# EAGLE board Mk4 Final Panel (EAGLE 9.0.1), part 12 of 18 (continued)
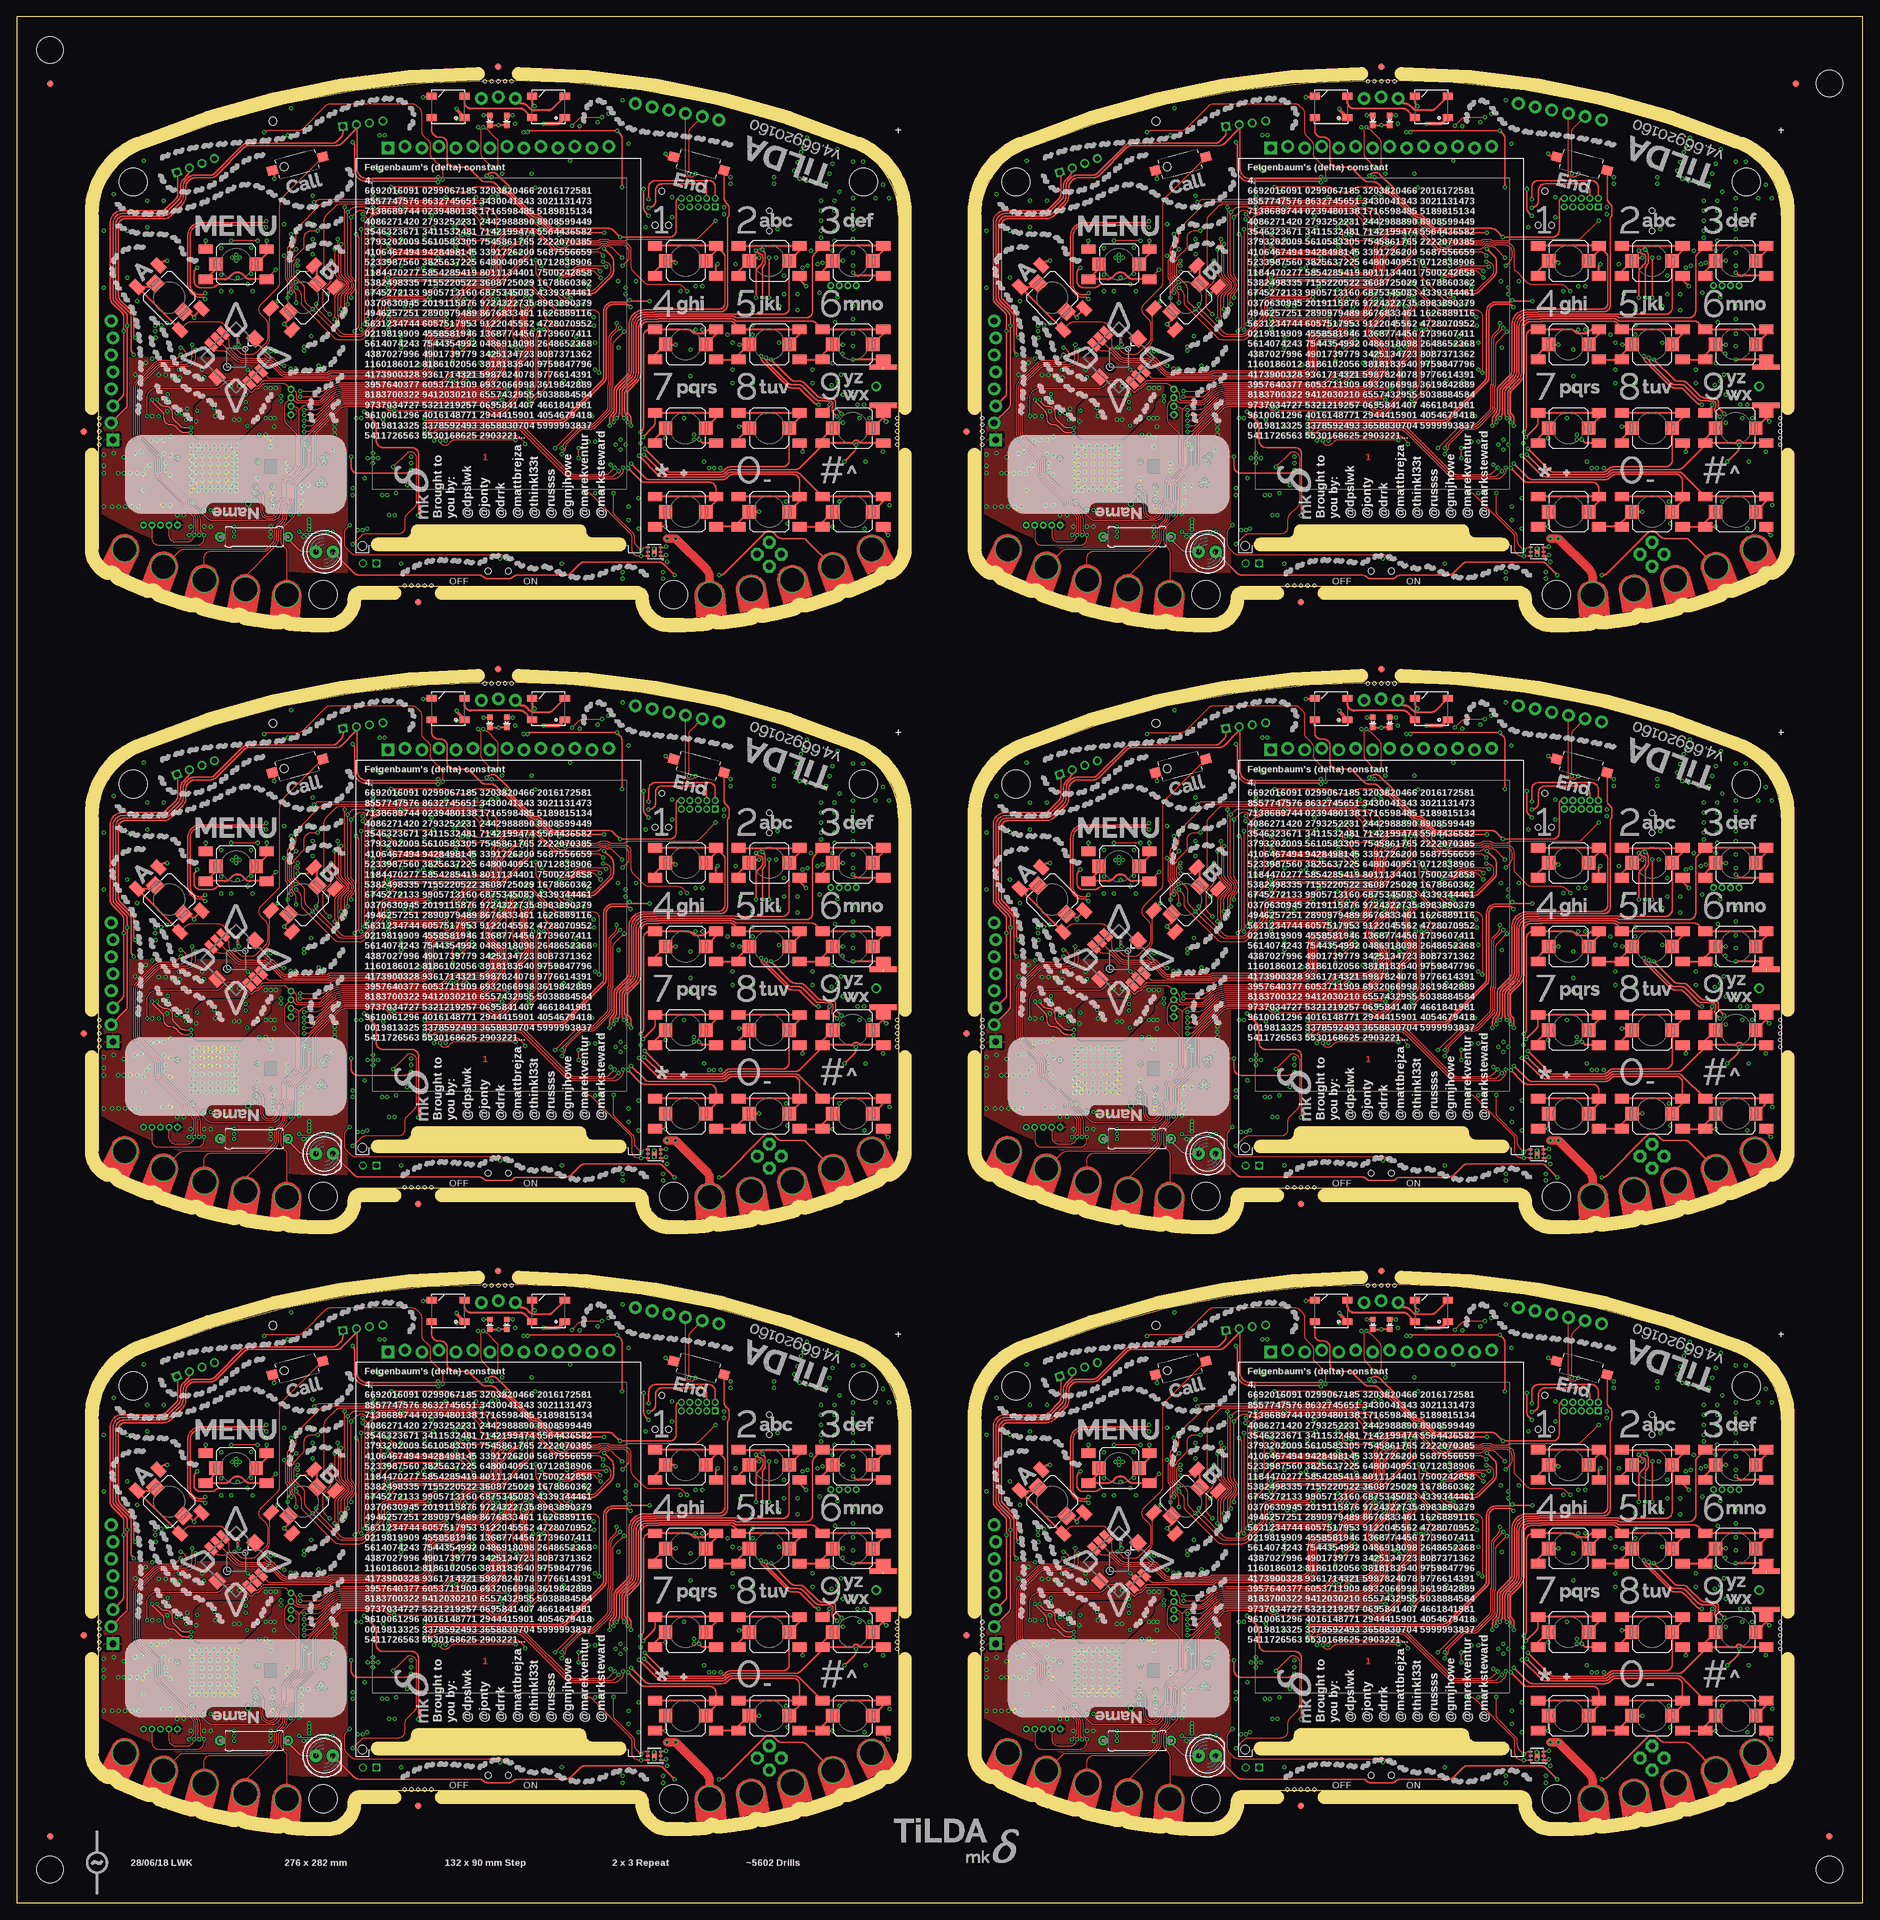
[diagram p0: board, top side]
## Tracks (layer width: path | path; a pad name or v marks a point on that pad's centre or on a via) (continued)
SDRAM_!WE2  (via drill 0.3)
  Top 0.15: v75.5,159.5 73.54,159.5 arc45 72.83,159.21 71.59,157.97 arc45 71.3,157.26 71.3,154.62 arc-90 70.05,153.38 56.29,153.38 arc45 55.58,153.08 v55.5,153
  Bottom 0.15: IC37.16 54.9,153.1 55,153 v55.5,153 | IC38.92 76.6,161.01 arc-45 76.31,160.31 v75.5,159.5
SDRAM_!WE3  (via drill 0.3)
  Top 0.15: v207.5,159.5 205.54,159.5 arc45 204.83,159.21 203.59,157.97 arc45 203.3,157.26 203.3,154.62 arc-90 202.05,153.38 188.29,153.38 arc45 187.58,153.08 v187.5,153
  Bottom 0.15: IC55.16 186.9,153.1 187,153 v187.5,153 | IC56.92 208.6,161.01 arc-45 208.31,160.31 v207.5,159.5
SDRAM_!WE4  (via drill 0.3)
  Top 0.15: v75.5,249.5 73.54,249.5 arc45 72.83,249.21 71.59,247.97 arc45 71.3,247.26 71.3,244.62 arc-90 70.05,243.38 56.29,243.38 arc45 55.58,243.08 v55.5,243
  Bottom 0.15: IC73.16 54.9,243.1 55,243 v55.5,243 | IC74.92 76.6,251.01 arc-45 76.31,250.31 v75.5,249.5
SDRAM_!WE5  (via drill 0.3)
  Top 0.15: v207.5,249.5 205.54,249.5 arc45 204.83,249.21 203.59,247.97 arc45 203.3,247.26 203.3,244.62 arc-90 202.05,243.38 188.29,243.38 arc45 187.58,243.08 v187.5,243
  Bottom 0.15: IC91.16 186.9,243.1 187,243 v187.5,243 | IC92.92 208.6,251.01 arc-45 208.31,250.31 v207.5,249.5
SDRAM_A0  (via drill 0.3)
  Top 0.15: v49,73.5 v49,73.49 48.98,73.47 48.98,68.27 49.02,68.22 49.02,63.7 arc45 49.32,62.99 49.73,62.58 arc-90 49.73,61.17 49.27,60.7 arc45 48.98,60 48.98,58.52 49.02,58.47 49.02,58.03 49,58.01 v49,57.5 | v64.3,57.5 63.99,57.19 arc-45 63.29,56.9 56.51,56.9 arc-45 55.81,57.19 v55.5,57.5
  Bottom 0.15: IC2.2 50.21,74.3 arc45 49.51,74.01 v49,73.5 | IC1.29 67,58.02 arc90 66.5,58.52 66.12,58.52 | v55.5,57.5 IC2.23 v49,57.5 | 66.12,58.52 | 66.12,58.52 65.68,58.52 arc45 65.08,58.28 v64.3,57.5
SDRAM_A1  (via drill 0.3)
  Top 0.15: v64.3,56.75 arc-45 63.94,56.6 55.86,56.6 arc-45 v55.5,56.75 | v51.75,72.5 52.11,72.14 arc-45 52.4,71.44 52.4,70.13 arc45 52.44,70.03 arc-45 52.5,69.89 v52.5,56.75
  Bottom 0.15: v51.75,72.5 arc-45 52.23,72.7 IC2.4 | IC1.30 66.6,57.98 arc90 66.35,58.23 65.68,58.23 arc45 65.33,58.08 65.21,57.96 arc45 65,57.45 arc-90 v64.3,56.75 | v55.5,56.75 55.07,56.75 arc45 54.95,56.7 IC2.24 53.8,56.7 53.75,56.75 v52.5,56.75
SDRAM_A2  (via drill 0.3)
  Top 0.15: v51.7,71.75 51.73,71.72 arc-45 52.02,71.01 52.02,58.4 51.98,58.35 51.98,56.02 v52,56 | v64.3,56 v64.29,56.01 arc45 63.59,56.3 56.21,56.3 arc45 v55.51,56.01 v55.5,56
  Bottom 0.15: v51.7,71.75 arc-45 52.06,71.9 IC2.5 | v55.5,56 55.08,56 arc45 54.94,55.94 54.9,55.9 IC2.25 53.85,55.9 53.81,55.94 arc45 53.67,56 v52,56 | IC1.31 66.2,55.85 arc-90 65.7,55.35 64.8,55.35 arc-90 64.3,55.85 v64.3,56 v64.3,55.99
SDRAM_A3  (via drill 0.3)
  Top 0.15: v51.5,70.25 51.48,70.22 51.48,55.27 v51.5,55.25 | v55.5,55.25 55.96,55.71 arc-45 56.66,56 63.14,56 arc-45 63.84,55.71 64.02,55.53 arc90 64.73,55.53 v65.2,56
  Bottom 0.15: v55.5,55.25 55,55.25 54.85,55.1 IC2.26 53.9,55.1 53.81,55.19 arc45 53.67,55.25 v51.5,55.25 | v65.2,56 65.3,56 arc90 65.8,56.5 IC1.32 | v51.5,70.25 51.52,70.25 51.57,70.2 52.61,70.2 arc-45 52.75,70.14 52.77,70.11 arc90 53.84,70.11 54.02,70.3 IC2.7
SDRAM_A4  (via drill 0.3)
  Top 0.15: v55.5,69.5 56.58,68.42 arc45 57.29,68.12 66.71,68.12 arc-45 67.42,67.83 v68.25,67 | v50.75,69.5 50.95,69.3 arc-45 51.1,68.94 51.1,55.76 arc-45 50.95,55.4 v50.55,55
  Bottom 0.15: IC1.22 69.8,65.04 arc45 69.51,65.74 v68.25,67 | v50.75,69.5 IC2.8 v55.5,69.5 | IC2.29 43.59,55.1 arc-45 43.69,55.06 arc45 43.83,55 v50.55,55
SDRAM_A5  (via drill 0.3)
  Top 0.15: v48,68.75 47.98,68.72 47.98,67.58 arc45 48.02,67.48 arc-45 48.08,67.34 48.08,63.8 arc45 48.37,63.09 49.23,62.23 arc-90 49.23,61.52 48.27,60.55 arc45 47.98,59.85 47.98,57.4 48.02,57.35 48.02,56.02 v48,56 | v68.25,66 67.54,66.71 arc45 66.84,67 63.67,67 arc-45 63.53,67.06 63.52,67.07 arc45 63.38,67.12 56.79,67.12 arc-45 56.08,67.42 v55.5,68
  Bottom 0.15: v68.25,66 69.11,65.14 arc-45 69.4,64.44 IC1.23 | v48,68.75 48.09,68.75 arc-45 48.79,68.46 48.96,68.29 arc45 49.66,68 53.42,68 arc-45 53.56,67.94 arc45 53.66,67.9 IC2.10 54.82,67.9 arc45 54.96,67.96 arc-45 55.06,68 v55.5,68 | IC2.30 43.59,55.9 arc45 43.69,55.94 arc-45 43.83,56 v48,56
SDRAM_A6  (via drill 0.3)
  Top 0.15: v47.5,67.25 47.5,65.74 47.52,65.72 47.52,63.93 arc45 47.82,63.22 48.99,62.05 arc-90 48.99,61.7 47.79,60.5 arc45 47.5,59.8 v47.5,56.75 | v68.25,65.25 67.09,66.41 arc45 66.39,66.7 63.55,66.7 arc-45 63.41,66.76 63.4,66.77 arc45 63.26,66.83 56.34,66.83 arc-45 55.63,67.12 v55.5,67.25
  Bottom 0.15: v68.25,65.25 68.71,64.79 arc-45 69,64.09 IC1.24 | v47.5,67.25 53.42,67.25 arc-45 53.56,67.19 53.59,67.16 arc45 53.73,67.1 IC2.11 54.77,67.1 arc45 54.91,67.16 54.94,67.19 arc-45 55.08,67.25 v55.5,67.25 | IC2.31 43.7,56.7 arc-45 43.82,56.75 v47.5,56.75
SDRAM_A7  (via drill 0.3)
  Top 0.15: v68.3,64.3 66.49,66.11 arc45 65.79,66.4 63.42,66.4 arc-45 63.28,66.46 63.28,66.47 arc45 63.13,66.53 56.94,66.53 arc45 56.23,66.23 v55.5,65.5 | v47,65.5 47,62.83 arc-45 46.71,62.12 46.14,61.56 arc45 45.85,60.85 45.85,58.81 arc45 46.14,58.11 v46.75,57.5
  Bottom 0.15: v55.5,65.5 IC2.13 v47,65.5 | IC2.32 v46.75,57.5 | IC1.25 68.6,59.26 68.62,59.28 68.62,63.56 arc45 68.33,64.27 v68.3,64.3
SDRAM_A8  (via drill 0.3)
  Top 0.15: v61.75,60.1 v61.74,60.09 arc-45 61.04,59.8 55.75,59.8 arc90 54.5,58.55 54.5,57.5 arc-45 54.21,56.79 51.89,54.47 arc-45 51.18,54.17 48.74,54.17 arc-45 48.03,54.47 v44.25,58.25 43.29,59.21 arc-45 43,59.91 43,61.33 arc45 42.71,62.03 41.47,63.27 arc-45 41.4,63.45 41.4,64.69 arc-45 41.55,65.05 v42,65.5
  Bottom 0.15: IC2.42 v42,65.5 | IC2.33 43.7,58.3 arc45 43.82,58.25 v44.25,58.25 | IC1.40 63.66,61.6 arc45 62.96,61.31 v61.75,60.1
SDRAM_A9  (via drill 0.3)
  Top 0.15: v41.75,59.25 41.75,60.34 arc45 41.46,61.05 41.38,61.12 arc-45 41.16,61.65 41.16,62.58 arc45 41.09,62.76 40.87,62.98 arc-45 40.8,63.16 40.8,65.24 arc-45 40.95,65.59 41.02,65.67 arc45 41.16,66.02 41.16,66.25 arc-45 41.46,66.96 v41.75,67.25 | v62.65,61.75 61.32,60.42 arc-45 60.61,60.12 55.5,60.12 arc90 54,58.62 54,57.42 arc-45 53.71,56.72 51.76,54.77 arc-45 51.05,54.48 49.2,54.48 arc-45 48.49,54.77 45.04,58.22 arc-45 44.75,58.92 v44.75,59
  Bottom 0.15: IC2.44 42.65,67.1 42.65,67.1 arc45 42.29,67.25 v41.75,67.25 | v41.75,59.25 42.29,59.25 arc-45 42.65,59.1 IC2.34 44.51,59.1 arc-45 v44.75,59 | IC1.41 63.25,62 arc45 v62.65,61.75
SDRAM_A10  (via drill 0.3)
  Top 0.15: v55.5,58.25 55.58,58.17 65.35,58.17 arc45 66.06,58.47 66.9,59.31 arc45 67.05,59.66 v67.05,59.8 | v48.5,58.25 48.5,59.95 arc-45 48.79,60.65 49.48,61.34 arc90 49.48,62.4 48.79,63.09 arc-45 48.5,63.8 v48.5,68
  Bottom 0.15: IC2.45 43.82,67.9 arc45 43.96,67.96 arc-45 44.06,68 v48.5,68 | v55.5,58.25 55,58.25 54.95,58.3 IC2.22 53.8,58.3 arc-45 53.68,58.25 v48.5,58.25 | IC1.50 65.54,65.6 arc-45 66.24,65.31 66.76,64.79 arc-45 67.05,64.09 v67.05,59.8
SDRAM_A11  (via drill 0.3)
  Top 0.15: v41,69.5 41,68.41 arc-45 40.71,67.71 arc45 40.5,67.21 40.5,66.49 40.52,66.47 40.52,66.1 arc-45 40.48,65.98 40.48,65.97 40.35,65.84 arc45 40.2,65.49 40.2,62.91 arc45 40.27,62.73 40.4,62.6 arc-45 40.48,62.42 40.48,60.53 40.5,60.51 v40.5,60 | v53.25,60.75 54.68,62.18 arc45 54.98,62.89 54.98,63.71 arc-45 55.27,64.42 56.46,65.61 arc-45 57.16,65.9 61.94,65.9 arc-45 62.64,65.61 62.96,65.29 arc45 63.66,65 v65.75,65
  Bottom 0.15: IC2.47 v41,69.5 | v40.5,60 42.42,60 arc-45 42.56,59.94 42.6,59.9 IC2.35 48.49,59.9 arc45 49.19,60.19 49.46,60.46 arc-45 50.16,60.75 v53.25,60.75 | IC1.49 65.27,65.2 arc-45 v65.75,65
SDRAM_A12  (via drill 0.3)
  Top 0.15: v41,60.75 41,61.08 40.86,61.22 40.86,62.46 arc45 40.79,62.64 40.57,62.85 arc-45 40.5,63.03 40.5,65.37 arc-45 40.65,65.72 40.72,65.79 arc45 40.86,66.14 40.86,66.95 arc-45 41.16,67.66 41.46,67.96 arc45 41.75,68.66 v41.75,70.25 45.53,74.03 arc-45 46.24,74.33 56.73,74.33 56.79,74.38 arc-90 58.21,74.38 58.42,74.17 68.97,74.17 arc-45 v69.47,73.97
  Bottom 0.15: IC2.48 42.55,70.3 42.5,70.25 v41.75,70.25 | IC2.36 42.55,60.7 42.5,60.75 v41,60.75 | v69.47,73.97 69.8,73.64 IC1.75
SDRAM_A13  (via drill 0.3)
  Top 0.15: v181,73.5 v181,73.49 180.97,73.47 180.97,68.27 181.03,68.22 181.03,63.7 arc45 181.32,62.99 181.73,62.58 arc-90 181.73,61.17 181.27,60.7 arc45 180.97,60 180.97,58.52 181.03,58.47 181.03,58.03 181,58.01 v181,57.5 | v196.3,57.5 195.99,57.19 arc-45 195.29,56.9 188.51,56.9 arc-45 187.81,57.19 v187.5,57.5
  Bottom 0.15: IC19.2 182.21,74.3 arc45 181.51,74.01 v181,73.5 | IC20.29 199,58.02 arc90 198.5,58.52 198.12,58.52 | v187.5,57.5 IC19.23 v181,57.5 | 198.12,58.52 | 198.12,58.52 197.68,58.52 arc45 197.08,58.28 v196.3,57.5
SDRAM_A14  (via drill 0.3)
  Top 0.15: v196.3,56.75 arc-45 195.94,56.6 187.86,56.6 arc-45 v187.5,56.75 | v183.75,72.5 184.11,72.14 arc-45 184.4,71.44 184.4,70.13 arc45 184.44,70.03 arc-45 184.5,69.89 v184.5,56.75
  Bottom 0.15: v183.75,72.5 arc-45 184.23,72.7 IC19.4 | IC20.30 198.6,57.98 arc90 198.35,58.23 197.68,58.23 arc45 197.33,58.08 197.21,57.96 arc45 197,57.45 arc-90 v196.3,56.75 | v187.5,56.75 187.07,56.75 arc45 186.95,56.7 IC19.24 185.8,56.7 185.75,56.75 v184.5,56.75
SDRAM_A15  (via drill 0.3)
  Top 0.15: v183.7,71.75 183.73,71.72 arc-45 184.03,71.01 184.03,58.4 183.97,58.35 183.97,56.02 v184,56 | v196.3,56 v196.29,56.01 arc45 195.59,56.3 188.21,56.3 arc45 v187.51,56.01 v187.5,56
  Bottom 0.15: v183.7,71.75 arc-45 184.06,71.9 IC19.5 | v187.5,56 187.08,56 arc45 186.94,55.94 186.9,55.9 IC19.25 185.85,55.9 185.81,55.94 arc45 185.67,56 v184,56 | IC20.31 198.2,55.85 arc-90 197.7,55.35 196.8,55.35 arc-90 196.3,55.85 v196.3,56 v196.3,55.99
SDRAM_A16  (via drill 0.3)
  Top 0.15: v183.5,70.25 183.47,70.22 183.47,55.27 v183.5,55.25 | v187.5,55.25 187.96,55.71 arc-45 188.66,56 195.14,56 arc-45 195.84,55.71 196.02,55.53 arc90 196.73,55.53 v197.2,56
  Bottom 0.15: v187.5,55.25 187,55.25 186.85,55.1 IC19.26 185.9,55.1 185.81,55.19 arc45 185.67,55.25 v183.5,55.25 | v197.2,56 197.3,56 arc90 197.8,56.5 IC20.32 | v183.5,70.25 183.52,70.25 183.57,70.2 184.61,70.2 arc-45 184.75,70.14 184.78,70.11 arc90 185.83,70.11 186.02,70.3 IC19.7
SDRAM_A17  (via drill 0.3)
  Top 0.15: v187.5,69.5 188.58,68.42 arc45 189.29,68.12 198.71,68.12 arc-45 199.42,67.83 v200.25,67 | v182.75,69.5 182.95,69.3 arc-45 183.1,68.94 183.1,55.76 arc-45 182.95,55.4 v182.55,55
  Bottom 0.15: IC20.22 201.8,65.04 arc45 201.51,65.74 v200.25,67 | v182.75,69.5 IC19.8 v187.5,69.5 | IC19.29 175.59,55.1 arc-45 175.69,55.06 arc45 175.83,55 v182.55,55
SDRAM_A18  (via drill 0.3)
  Top 0.15: v180,68.75 179.97,68.72 179.97,67.58 arc45 180.02,67.48 arc-45 180.07,67.34 180.07,63.8 arc45 180.37,63.09 181.24,62.23 arc-90 181.24,61.52 180.27,60.55 arc45 179.97,59.85 179.97,57.4 180.03,57.35 180.03,56.02 v180,56 | v200.25,66 199.54,66.71 arc45 198.84,67 195.67,67 arc-45 195.53,67.06 195.53,67.07 arc45 195.38,67.12 188.79,67.12 arc-45 188.08,67.42 v187.5,68
  Bottom 0.15: v200.25,66 201.11,65.14 arc-45 201.4,64.44 IC20.23 | v180,68.75 180.09,68.75 arc-45 180.79,68.46 180.96,68.29 arc45 181.66,68 185.42,68 arc-45 185.56,67.94 arc45 185.66,67.9 IC19.10 186.82,67.9 arc45 186.96,67.96 arc-45 187.06,68 v187.5,68 | IC19.30 175.59,55.9 arc45 175.69,55.94 arc-45 175.83,56 v180,56
SDRAM_A19  (via drill 0.3)
  Top 0.15: v179.5,67.25 179.5,65.74 179.53,65.72 179.53,63.93 arc45 179.82,63.22 180.99,62.05 arc-90 180.99,61.7 179.79,60.5 arc45 179.5,59.8 v179.5,56.75 | v200.25,65.25 199.09,66.41 arc45 198.39,66.7 195.55,66.7 arc-45 195.41,66.76 195.4,66.77 arc45 195.26,66.83 188.34,66.83 arc-45 187.63,67.12 v187.5,67.25
  Bottom 0.15: v200.25,65.25 200.71,64.79 arc-45 201,64.09 IC20.24 | v179.5,67.25 185.42,67.25 arc-45 185.56,67.19 185.59,67.16 arc45 185.73,67.1 IC19.11 186.77,67.1 arc45 186.91,67.16 186.94,67.19 arc-45 187.08,67.25 v187.5,67.25 | IC19.31 175.7,56.7 arc-45 175.82,56.75 v179.5,56.75
SDRAM_A20  (via drill 0.3)
  Top 0.15: v200.3,64.3 198.49,66.11 arc45 197.79,66.4 195.43,66.4 arc-45 195.28,66.46 195.28,66.47 arc45 195.13,66.53 188.94,66.53 arc45 188.23,66.23 v187.5,65.5 | v179,65.5 179,62.83 arc-45 178.71,62.12 178.14,61.56 arc45 177.85,60.85 177.85,58.81 arc45 178.14,58.11 v178.75,57.5
  Bottom 0.15: v187.5,65.5 IC19.13 v179,65.5 | IC19.32 v178.75,57.5 | IC20.25 200.6,59.26 200.62,59.28 200.62,63.56 arc45 200.33,64.27 v200.3,64.3
SDRAM_A21  (via drill 0.3)
  Top 0.15: v193.75,60.1 v193.74,60.09 arc-45 193.04,59.8 187.75,59.8 arc90 186.5,58.55 186.5,57.5 arc-45 186.21,56.79 183.88,54.47 arc-45 183.18,54.17 180.74,54.17 arc-45 180.03,54.47 v176.25,58.25 175.29,59.21 arc-45 175,59.91 175,61.33 arc45 174.71,62.03 173.47,63.27 arc-45 173.4,63.45 173.4,64.69 arc-45 173.55,65.05 v174,65.5
  Bottom 0.15: IC19.42 v174,65.5 | IC19.33 175.7,58.3 arc45 175.82,58.25 v176.25,58.25 | IC20.40 195.66,61.6 arc45 194.96,61.31 v193.75,60.1
SDRAM_A22  (via drill 0.3)
  Top 0.15: v173.75,59.25 173.75,60.34 arc45 173.46,61.05 173.38,61.12 arc-45 173.16,61.65 173.16,62.58 arc45 173.09,62.76 172.87,62.98 arc-45 172.8,63.16 172.8,65.24 arc-45 172.95,65.59 173.02,65.67 arc45 173.16,66.02 173.16,66.25 arc-45 173.46,66.96 v173.75,67.25 | v194.65,61.75 193.32,60.42 arc-45 192.61,60.12 187.5,60.12 arc90 186,58.62 186,57.42 arc-45 185.71,56.72 183.76,54.77 arc-45 183.05,54.48 181.2,54.48 arc-45 180.49,54.77 177.04,58.22 arc-45 176.75,58.92 v176.75,59
  Bottom 0.15: IC19.44 174.65,67.1 174.65,67.1 arc45 174.29,67.25 v173.75,67.25 | v173.75,59.25 174.29,59.25 arc-45 174.65,59.1 IC19.34 176.51,59.1 arc-45 v176.75,59 | IC20.41 195.25,62 arc45 v194.65,61.75
SDRAM_A23  (via drill 0.3)
  Top 0.15: v187.5,58.25 187.57,58.17 197.35,58.17 arc45 198.06,58.47 198.9,59.31 arc45 199.05,59.66 v199.05,59.8 | v180.5,58.25 180.5,59.95 arc-45 180.79,60.65 181.48,61.34 arc90 181.48,62.4 180.79,63.09 arc-45 180.5,63.8 v180.5,68
  Bottom 0.15: IC19.45 175.82,67.9 arc45 175.96,67.96 arc-45 176.06,68 v180.5,68 | v187.5,58.25 187,58.25 186.95,58.3 IC19.22 185.8,58.3 arc-45 185.68,58.25 v180.5,58.25 | IC20.50 197.54,65.6 arc-45 198.24,65.31 198.76,64.79 arc-45 199.05,64.09 v199.05,59.8
SDRAM_A24  (via drill 0.3)
  Top 0.15: v173,60.75 173,61.08 172.86,61.22 172.86,62.46 arc45 172.79,62.64 172.57,62.85 arc-45 172.5,63.03 172.5,65.37 arc-45 172.65,65.72 172.72,65.79 arc45 172.86,66.14 172.86,66.95 arc-45 173.16,67.66 173.46,67.96 arc45 173.75,68.66 v173.75,70.25 177.53,74.03 arc-45 178.24,74.33 188.73,74.33 188.79,74.38 arc-90 190.21,74.38 190.42,74.17 200.97,74.17 arc-45 v201.47,73.97
  Bottom 0.15: IC19.48 174.55,70.3 174.5,70.25 v173.75,70.25 | IC19.36 174.55,60.7 174.5,60.75 v173,60.75 | v201.47,73.97 201.8,73.64 IC20.75
SDRAM_A25  (via drill 0.3)
  Top 0.15: v173,69.5 173,68.41 arc-45 172.71,67.71 arc45 172.5,67.21 172.5,66.49 172.53,66.47 172.53,66.1 arc-45 172.47,65.98 172.47,65.97 172.35,65.84 arc45 172.2,65.49 172.2,62.91 arc45 172.27,62.73 172.4,62.6 arc-45 172.47,62.42 172.47,60.53 172.5,60.51 v172.5,60 | v185.25,60.75 186.68,62.18 arc45 186.97,62.89 186.97,63.71 arc-45 187.27,64.42 188.46,65.61 arc-45 189.16,65.9 193.94,65.9 arc-45 194.64,65.61 194.96,65.29 arc45 195.66,65 v197.75,65
  Bottom 0.15: IC19.47 v173,69.5 | v172.5,60 174.42,60 arc-45 174.56,59.94 174.6,59.9 IC19.35 180.49,59.9 arc45 181.19,60.19 181.46,60.46 arc-45 182.16,60.75 v185.25,60.75 | IC20.49 197.27,65.2 arc-45 v197.75,65
SDRAM_A26  (via drill 0.3)
  Top 0.15: v49,163.5 v49,163.49 48.98,163.47 48.98,158.27 49.02,158.22 49.02,153.7 arc45 49.32,152.99 49.73,152.58 arc-90 49.73,151.17 49.27,150.71 arc45 48.98,150 48.98,148.52 49.02,148.47 49.02,148.03 49,148.01 v49,147.5 | v64.3,147.5 63.99,147.19 arc-45 63.29,146.9 56.51,146.9 arc-45 55.81,147.19 v55.5,147.5
  Bottom 0.15: IC37.2 50.21,164.3 arc45 49.51,164.01 v49,163.5 | IC38.29 67,148.03 arc90 66.5,148.53 66.12,148.53 | v55.5,147.5 IC37.23 v49,147.5 | 66.12,148.53 | 66.12,148.53 65.68,148.53 arc45 65.08,148.28 v64.3,147.5
SDRAM_A27  (via drill 0.3)
  Top 0.15: v64.3,146.75 arc-45 63.94,146.6 55.86,146.6 arc-45 v55.5,146.75 | v51.75,162.5 52.11,162.14 arc-45 52.4,161.44 52.4,160.13 arc45 52.44,160.03 arc-45 52.5,159.89 v52.5,146.75
  Bottom 0.15: v51.75,162.5 arc-45 52.23,162.7 IC37.4 | IC38.30 66.6,147.97 arc90 66.35,148.22 65.68,148.22 arc45 65.33,148.08 65.21,147.96 arc45 65,147.45 arc-90 v64.3,146.75 | v55.5,146.75 55.07,146.75 arc45 54.95,146.7 IC37.24 53.8,146.7 53.75,146.75 v52.5,146.75
SDRAM_A28  (via drill 0.3)
  Top 0.15: v51.7,161.75 51.73,161.72 arc-45 52.02,161.01 52.02,148.4 51.98,148.35 51.98,146.03 v52,146 | v64.3,146 v64.29,146.01 arc45 63.59,146.3 56.21,146.3 arc45 v55.51,146.01 v55.5,146
  Bottom 0.15: v51.7,161.75 arc-45 52.06,161.9 IC37.5 | v55.5,146 55.08,146 arc45 54.94,145.94 54.9,145.9 IC37.25 53.85,145.9 53.81,145.94 arc45 53.67,146 v52,146 | IC38.31 66.2,145.85 arc-90 65.7,145.35 64.8,145.35 arc-90 64.3,145.85 v64.3,146 v64.3,145.99
SDRAM_A29  (via drill 0.3)
  Top 0.15: v51.5,160.25 51.48,160.22 51.48,145.28 v51.5,145.25 | v55.5,145.25 55.96,145.71 arc-45 56.66,146 63.14,146 arc-45 63.84,145.71 64.02,145.53 arc90 64.73,145.53 v65.2,146
  Bottom 0.15: v55.5,145.25 55,145.25 54.85,145.1 IC37.26 53.9,145.1 53.81,145.19 arc45 53.67,145.25 v51.5,145.25 | v65.2,146 65.3,146 arc90 65.8,146.5 IC38.32 | v51.5,160.25 51.52,160.25 51.57,160.2 52.61,160.2 arc-45 52.75,160.14 52.77,160.11 arc90 53.84,160.11 54.02,160.3 IC37.7
SDRAM_A30  (via drill 0.3)
  Top 0.15: v55.5,159.5 56.58,158.42 arc45 57.29,158.12 66.71,158.12 arc-45 67.42,157.83 v68.25,157 | v50.75,159.5 50.95,159.3 arc-45 51.1,158.94 51.1,145.76 arc-45 50.95,145.4 v50.55,145
  Bottom 0.15: IC38.22 69.8,155.04 arc45 69.51,155.74 v68.25,157 | v50.75,159.5 IC37.8 v55.5,159.5 | IC37.29 43.59,145.1 arc-45 43.69,145.06 arc45 43.83,145 v50.55,145
SDRAM_A31  (via drill 0.3)
  Top 0.15: v48,158.75 47.98,158.72 47.98,157.58 arc45 48.02,157.48 arc-45 48.08,157.34 48.08,153.8 arc45 48.37,153.09 49.23,152.23 arc-90 49.23,151.52 48.27,150.55 arc45 47.98,149.85 47.98,147.4 48.02,147.35 48.02,146.03 v48,146 | v68.25,156 67.54,156.71 arc45 66.84,157 63.67,157 arc-45 63.53,157.06 63.52,157.07 arc45 63.38,157.12 56.79,157.12 arc-45 56.08,157.42 v55.5,158
  Bottom 0.15: v68.25,156 69.11,155.14 arc-45 69.4,154.44 IC38.23 | v48,158.75 48.09,158.75 arc-45 48.79,158.46 48.96,158.29 arc45 49.66,158 53.42,158 arc-45 53.56,157.94 arc45 53.66,157.9 IC37.10 54.82,157.9 arc45 54.96,157.96 arc-45 55.06,158 v55.5,158 | IC37.30 43.59,145.9 arc45 43.69,145.94 arc-45 43.83,146 v48,146
SDRAM_A32  (via drill 0.3)
  Top 0.15: v47.5,157.25 47.5,155.74 47.52,155.72 47.52,153.93 arc45 47.82,153.22 48.99,152.05 arc-90 48.99,151.7 47.79,150.5 arc45 47.5,149.8 v47.5,146.75 | v68.25,155.25 67.09,156.41 arc45 66.39,156.7 63.55,156.7 arc-45 63.41,156.76 63.4,156.77 arc45 63.26,156.82 56.34,156.82 arc-45 55.63,157.12 v55.5,157.25
  Bottom 0.15: v68.25,155.25 68.71,154.79 arc-45 69,154.09 IC38.24 | v47.5,157.25 53.42,157.25 arc-45 53.56,157.19 53.59,157.16 arc45 53.73,157.1 IC37.11 54.77,157.1 arc45 54.91,157.16 54.94,157.19 arc-45 55.08,157.25 v55.5,157.25 | IC37.31 43.7,146.7 arc-45 43.82,146.75 v47.5,146.75
SDRAM_A33  (via drill 0.3)
  Top 0.15: v68.3,154.3 66.49,156.11 arc45 65.79,156.4 63.42,156.4 arc-45 63.28,156.46 63.28,156.47 arc45 63.13,156.53 56.94,156.53 arc45 56.23,156.23 v55.5,155.5 | v47,155.5 47,152.83 arc-45 46.71,152.12 46.14,151.56 arc45 45.85,150.85 45.85,148.81 arc45 46.14,148.11 v46.75,147.5
  Bottom 0.15: v55.5,155.5 IC37.13 v47,155.5 | IC37.32 v46.75,147.5 | IC38.25 68.6,149.26 68.62,149.28 68.62,153.56 arc45 68.33,154.27 v68.3,154.3
SDRAM_A34  (via drill 0.3)
  Top 0.15: v61.75,150.1 v61.74,150.09 arc-45 61.04,149.8 55.75,149.8 arc90 54.5,148.55 54.5,147.5 arc-45 54.21,146.79 51.89,144.47 arc-45 51.18,144.18 48.74,144.18 arc-45 48.03,144.47 v44.25,148.25 43.29,149.21 arc-45 43,149.91 43,151.33 arc45 42.71,152.03 41.47,153.27 arc-45 41.4,153.45 41.4,154.69 arc-45 41.55,155.05 v42,155.5
  Bottom 0.15: IC37.42 v42,155.5 | IC37.33 43.7,148.3 arc45 43.82,148.25 v44.25,148.25 | IC38.40 63.66,151.6 arc45 62.96,151.31 v61.75,150.1
SDRAM_A35  (via drill 0.3)
  Top 0.15: v41.75,149.25 41.75,150.34 arc45 41.46,151.05 41.38,151.12 arc-45 41.16,151.65 41.16,152.58 arc45 41.09,152.76 40.87,152.98 arc-45 40.8,153.16 40.8,155.24 arc-45 40.95,155.59 41.02,155.67 arc45 41.16,156.02 41.16,156.25 arc-45 41.46,156.96 v41.75,157.25 | v62.65,151.75 61.32,150.42 arc-45 60.61,150.12 55.5,150.12 arc90 54,148.62 54,147.42 arc-45 53.71,146.72 51.76,144.77 arc-45 51.05,144.47 49.2,144.47 arc-45 48.49,144.77 45.04,148.22 arc-45 44.75,148.92 v44.75,149
  Bottom 0.15: IC37.44 42.65,157.1 42.65,157.1 arc45 42.29,157.25 v41.75,157.25 | v41.75,149.25 42.29,149.25 arc-45 42.65,149.1 IC37.34 44.51,149.1 arc-45 v44.75,149 | IC38.41 63.25,152 arc45 v62.65,151.75
SDRAM_A36  (via drill 0.3)
  Top 0.15: v55.5,148.25 55.58,148.18 65.35,148.18 arc45 66.06,148.47 66.9,149.31 arc45 67.05,149.66 v67.05,149.8 | v48.5,148.25 48.5,149.95 arc-45 48.79,150.65 49.48,151.34 arc90 49.48,152.4 48.79,153.09 arc-45 48.5,153.8 v48.5,158
  Bottom 0.15: IC37.45 43.82,157.9 arc45 43.96,157.96 arc-45 44.06,158 v48.5,158 | v55.5,148.25 55,148.25 54.95,148.3 IC37.22 53.8,148.3 arc-45 53.68,148.25 v48.5,148.25 | IC38.50 65.54,155.6 arc-45 66.24,155.31 66.76,154.79 arc-45 67.05,154.09 v67.05,149.8
SDRAM_A37  (via drill 0.3)
  Top 0.15: v41,150.75 41,151.08 40.86,151.22 40.86,152.46 arc45 40.79,152.64 40.57,152.85 arc-45 40.5,153.03 40.5,155.37 arc-45 40.65,155.72 40.72,155.79 arc45 40.86,156.14 40.86,156.95 arc-45 41.16,157.66 41.46,157.96 arc45 41.75,158.66 v41.75,160.25 45.53,164.03 arc-45 46.24,164.32 56.73,164.32 56.79,164.38 arc-90 58.21,164.38 58.42,164.18 68.97,164.18 arc-45 v69.47,163.97
  Bottom 0.15: IC37.48 42.55,160.3 42.5,160.25 v41.75,160.25 | IC37.36 42.55,150.7 42.5,150.75 v41,150.75 | v69.47,163.97 69.8,163.64 IC38.75
SDRAM_A38  (via drill 0.3)
  Top 0.15: v41,159.5 41,158.41 arc-45 40.71,157.71 arc45 40.5,157.21 40.5,156.49 40.52,156.47 40.52,156.1 arc-45 40.48,155.98 40.48,155.97 40.35,155.84 arc45 40.2,155.49 40.2,152.91 arc45 40.27,152.73 40.4,152.6 arc-45 40.48,152.42 40.48,150.53 40.5,150.51 v40.5,150 | v53.25,150.75 54.68,152.18 arc45 54.98,152.89 54.98,153.71 arc-45 55.27,154.42 56.46,155.61 arc-45 57.16,155.9 61.94,155.9 arc-45 62.64,155.61 62.96,155.29 arc45 63.66,155 v65.75,155
  Bottom 0.15: IC37.47 v41,159.5 | v40.5,150 42.42,150 arc-45 42.56,149.94 42.6,149.9 IC37.35 48.49,149.9 arc45 49.19,150.19 49.46,150.46 arc-45 50.16,150.75 v53.25,150.75 | IC38.49 65.27,155.2 arc-45 v65.75,155
SDRAM_A39  (via drill 0.3)
  Top 0.15: v181,163.5 v181,163.49 180.97,163.47 180.97,158.27 181.03,158.22 181.03,153.7 arc45 181.32,152.99 181.73,152.58 arc-90 181.73,151.17 181.27,150.71 arc45 180.97,150 180.97,148.52 181.03,148.47 181.03,148.03 181,148.01 v181,147.5 | v196.3,147.5 195.99,147.19 arc-45 195.29,146.9 188.51,146.9 arc-45 187.81,147.19 v187.5,147.5
  Bottom 0.15: IC55.2 182.21,164.3 arc45 181.51,164.01 v181,163.5 | IC56.29 199,148.03 arc90 198.5,148.53 198.12,148.53 | v187.5,147.5 IC55.23 v181,147.5 | 198.12,148.53 | 198.12,148.53 197.68,148.53 arc45 197.08,148.28 v196.3,147.5
SDRAM_A40  (via drill 0.3)
  Top 0.15: v196.3,146.75 arc-45 195.94,146.6 187.86,146.6 arc-45 v187.5,146.75 | v183.75,162.5 184.11,162.14 arc-45 184.4,161.44 184.4,160.13 arc45 184.44,160.03 arc-45 184.5,159.89 v184.5,146.75
  Bottom 0.15: v183.75,162.5 arc-45 184.23,162.7 IC55.4 | IC56.30 198.6,147.97 arc90 198.35,148.22 197.68,148.22 arc45 197.33,148.08 197.21,147.96 arc45 197,147.45 arc-90 v196.3,146.75 | v187.5,146.75 187.07,146.75 arc45 186.95,146.7 IC55.24 185.8,146.7 185.75,146.75 v184.5,146.75
SDRAM_A41  (via drill 0.3)
  Top 0.15: v183.7,161.75 183.73,161.72 arc-45 184.03,161.01 184.03,148.4 183.97,148.35 183.97,146.03 v184,146 | v196.3,146 v196.29,146.01 arc45 195.59,146.3 188.21,146.3 arc45 v187.51,146.01 v187.5,146
  Bottom 0.15: v183.7,161.75 arc-45 184.06,161.9 IC55.5 | v187.5,146 187.08,146 arc45 186.94,145.94 186.9,145.9 IC55.25 185.85,145.9 185.81,145.94 arc45 185.67,146 v184,146 | IC56.31 198.2,145.85 arc-90 197.7,145.35 196.8,145.35 arc-90 196.3,145.85 v196.3,146 v196.3,145.99
SDRAM_A42  (via drill 0.3)
  Top 0.15: v183.5,160.25 183.47,160.22 183.47,145.28 v183.5,145.25 | v187.5,145.25 187.96,145.71 arc-45 188.66,146 195.14,146 arc-45 195.84,145.71 196.02,145.53 arc90 196.73,145.53 v197.2,146
  Bottom 0.15: v187.5,145.25 187,145.25 186.85,145.1 IC55.26 185.9,145.1 185.81,145.19 arc45 185.67,145.25 v183.5,145.25 | v197.2,146 197.3,146 arc90 197.8,146.5 IC56.32 | v183.5,160.25 183.52,160.25 183.57,160.2 184.61,160.2 arc-45 184.75,160.14 184.78,160.11 arc90 185.83,160.11 186.02,160.3 IC55.7
SDRAM_A43  (via drill 0.3)
  Top 0.15: v187.5,159.5 188.58,158.42 arc45 189.29,158.12 198.71,158.12 arc-45 199.42,157.83 v200.25,157 | v182.75,159.5 182.95,159.3 arc-45 183.1,158.94 183.1,145.76 arc-45 182.95,145.4 v182.55,145
  Bottom 0.15: IC56.22 201.8,155.04 arc45 201.51,155.74 v200.25,157 | v182.75,159.5 IC55.8 v187.5,159.5 | IC55.29 175.59,145.1 arc-45 175.69,145.06 arc45 175.83,145 v182.55,145
SDRAM_A44  (via drill 0.3)